# Altium PCB IDCI_WifiNode_2_R00.PcbDoc
Units mm, origin at the board's own origin, x right, y up, seen from the top; angles counter-clockwise.
Board outline 107 x 38 mm, 2 copper layers (Top Layer, Bottom Layer); 66 components, 37 nets, 270 pads, 0 vias.
Unrouted connection lines stored in the file: 144.
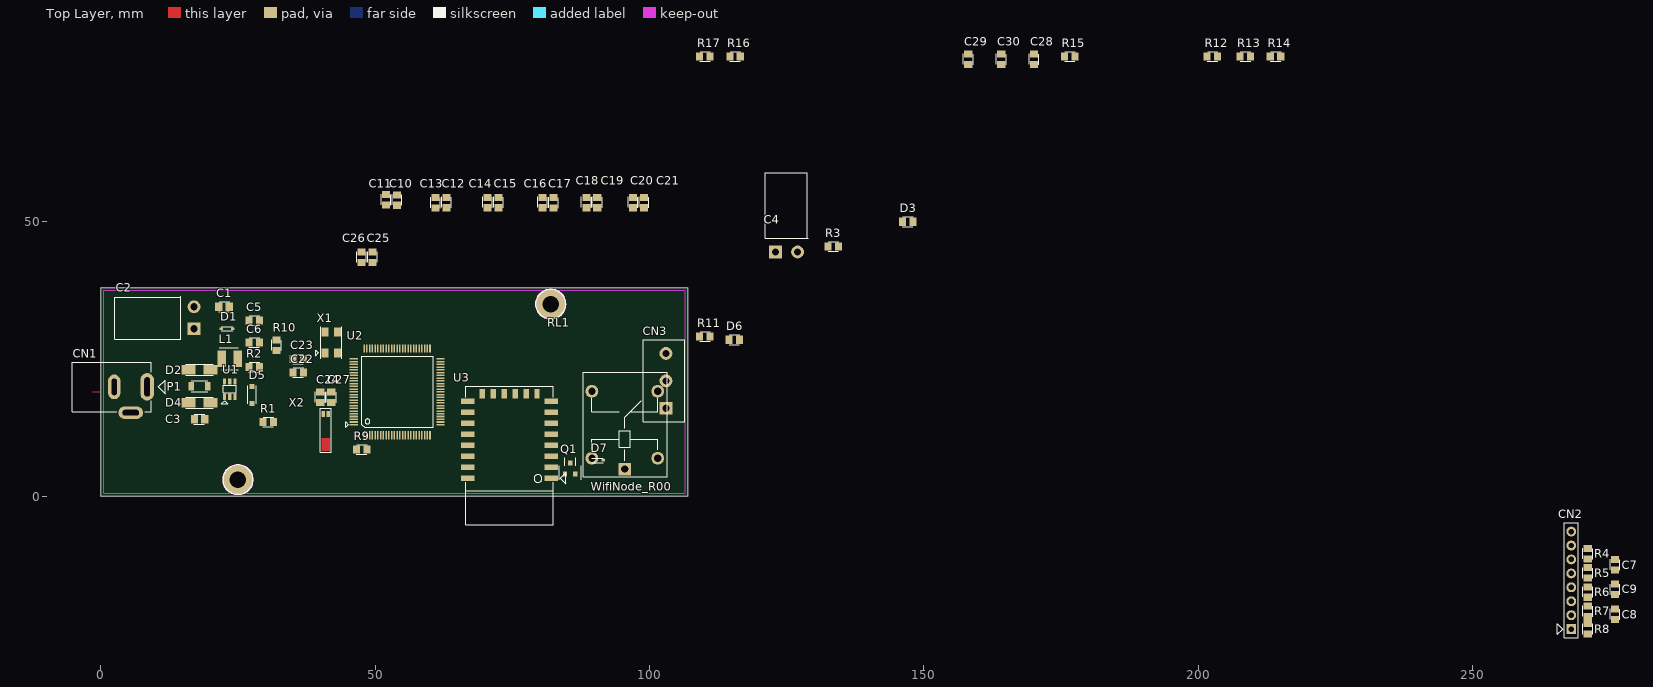
[diagram p0: Top Layer view]
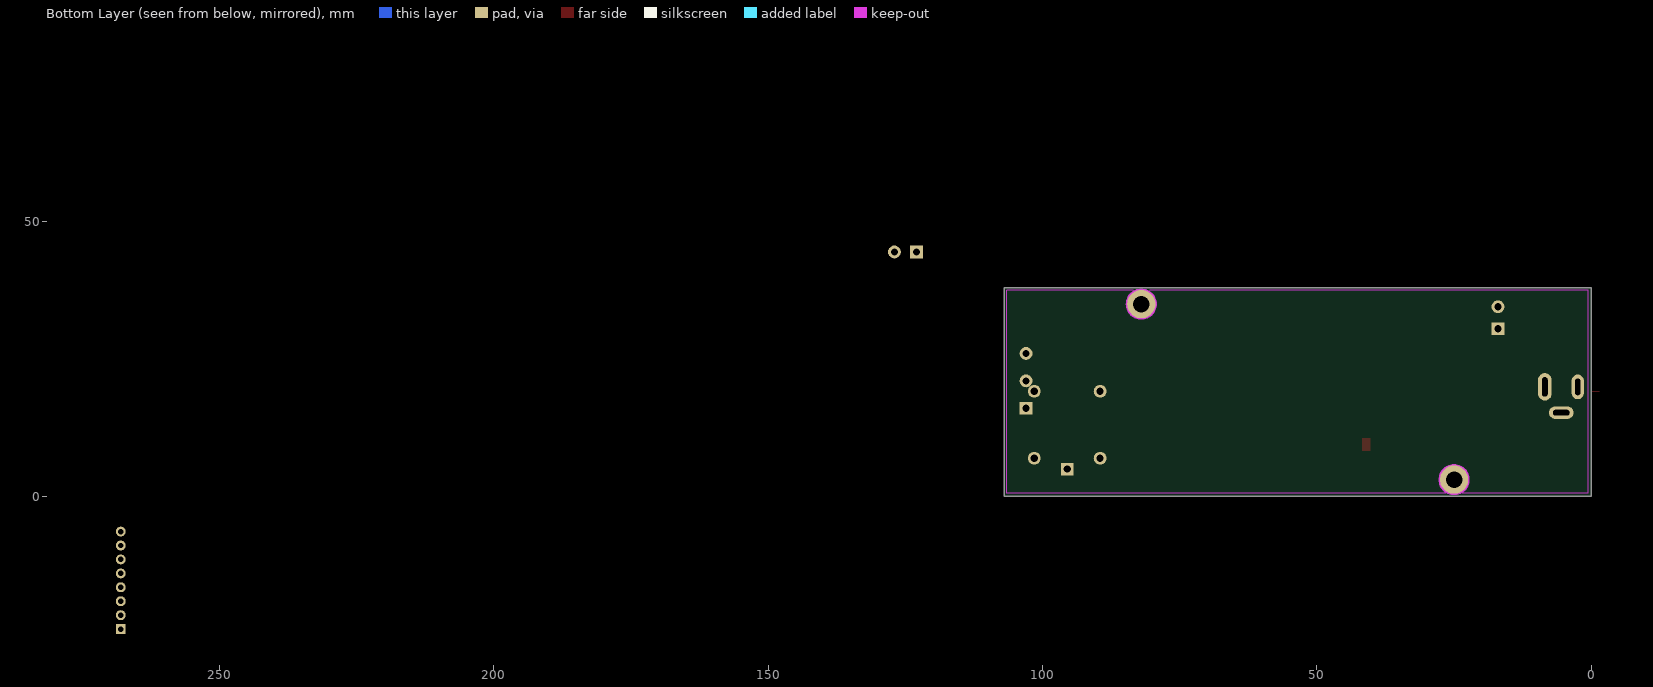
[diagram p1: Bottom Layer view, seen from below]

## Layer stack, top to bottom
Top Solder: solder mask 0.0102, Solder Resist, Dk 3.5
Top Layer: signal copper 0.0356
Dielectric 1: dielectric 0.32, FR-4, Dk 4.8
Bottom Layer: signal copper 0.0356
Bottom Solder: solder mask 0.0102, Solder Resist, Dk 3.5

## Board outline
0,0 0,38 107,38 107,0

## Design rules (kind name [scope] priority, off if disabled: settings)
Clearance [All] p1: gap=0.229 ignorepadtopadclearanceinfootprint=FALSE
PolygonConnect [All] p1: connectstyle=Relief reliefconductorwidth=0.254 reliefentries=4 polygonreliefangle="90 Angle" airgapwidth=0.254
RoomDefinition Perifericos [InComponentClass('Perifericos')] p1: confinementstyle=ConfineIn formatcopy=TRUE lockcomponents=FALSE outline 108.1,55.6 217.1,55.6 217.1,84.1 108.1,84.1
RoomDefinition "Fuentes y Protecciones" [InComponentClass('Fuentes y Protecciones')] p2: confinementstyle=ConfineIn formatcopy=TRUE lockcomponents=FALSE outline 107.05,33.5 208.55,33.5 208.55,54 107.05,54
RoomDefinition "Cpu Ports" [InComponentClass('Cpu Ports')] p3: confinementstyle=ConfineIn formatcopy=TRUE lockcomponents=FALSE outline 108.1,27.6 117.1,27.6 117.1,33.1 108.1,33.1
RoomDefinition "Cpu - Clock, Jtag, Power" [InComponentClass('Cpu - Clock, Jtag, Power')] p4: confinementstyle=ConfineIn formatcopy=TRUE lockcomponents=FALSE outline 108.5,1.95 294.5,1.95 294.5,26.45 108.5,26.45
RoutingVias [All] p1: holewidth=0.406 width=0.813 viastyle="Through Hole" minholewidth=0.406 minwidth=0.813 maxholewidth=0.406 maxwidth=0.813
SolderMaskExpansion [All] p1: expansion=0.102 istentingtop=FALSE
Width [All] p1: maxlimit=2.54 minlimit=0.229 preferedwidth=0.229
30 further rules are at their usual default settings.

## Classes and differential pairs
component class Perifericos: C28 C29 C30 CN3 D7 Q1 R12 R13 R14 R15 R16 R17 RL1 U3
component class "Fuentes y Protecciones": C1 C2 C3 C4 C5 C6 CN1 D1 D2 D3 D4 D5 L1 P1 R1 R2 R3 U1
component class "Cpu Ports": D6 R11
component class "Cpu - Clock, Jtag, Power": C7 C8 C9 C10 C11 C12 C13 C14 C15 C16 C17 C18 C19 C20 C21 C22 C23 C24 C25 C26 C27 CN2 R4 R5 R6 R7 R8 R9 R10 U2 X1 X2

## Components (designator, comment, footprint, x,y, rotation, side; value= is the part's Value field where it differs from the comment)
C1 "100nF 50V X7R" C_0805 22.45,34.5 r0 top
C2 "2.2uF 50V X7R" C_220UFX35V 17,32.5 r90 top
C3 "100nF 50V X7R" C_0805 18,14 r180 top
C4 "220uF 35V Elect" C_220UFX35V 125,44.5 r0 top
C5 "10uF 10V X7R" C_0805 27.95,32 r0 top
C6 "10uF 10V X7R" C_0805 27.95,28 r0 top
C7 "100nF 50V X7R" C_0805 276,-12.5 r270 top
C8 "10nF 25V X7R" C_0805 276,-21.55 r90 top
C9 "100nF 50V X7R" C_0805 276,-17 r270 top
C10 "100nF 50V X7R" C_0805 54,53.95 r90 top
C11 "10nF 25V X7R" C_0805 52,54 r90 top
C12 "100nF 50V X7R" C_0805 63,53.5 r90 top
C13 "10nF 25V X7R" C_0805 61,53.45 r90 top
C14 "100nF 50V X7R" C_0805 70.5,53.5 r90 top
C15 "10nF 25V X7R" C_0805 72.5,53.5 r90 top
C16 "100nF 50V X7R" C_0805 80.5,53.5 r90 top
C17 "10nF 25V X7R" C_0805 82.5,53.45 r90 top
C18 "100nF 50V X7R" C_0805 88.5,53.5 r90 top
C19 "10nF 25V X7R" C_0805 90.5,53.5 r90 top
C20 "100nF 50V X7R" C_0805 97,53.5 r90 top
C21 "10nF 25V X7R" C_0805 99,53.5 r90 top
C22 "22pF 50V C0G" C_0805 36,22.5 r180 top
C23 "22pF 50V C0G" C_0805 36,25 r180 top
C24 "10pF 50V C0G" C_0805 40,18 r90 top
C25 "10nF 25V X7R" C_0805 49.5,43.55 r90 top
C26 "1uF 10V X7R" C_0805 47.5,43.55 r90 top
C27 "10pF 50V C0G" C_0805 42,18 r90 top
C28 "100nF 50V X7R" C_0805 170.1,79.6 r90 top
C29 "100nF 50V X7R" C_0805 158.1,79.6 r90 top
C30 "10uF 10V X7R" C_0805 164.1,79.6 r90 top
CN1 "CONN_03P" JACK_2.5MM_F 8.45,19.9 r180 top
CN2 "CONN_08P" "HEADER_M_1X8_0.1\"" 268,-15.359 r90 top
CN3 "CONN_03P" TERMINAL_BLOCK_3_POLES 103,16 r90 top
D1 "1N4148WS" DIODE_SOD-323 23,30.5 r0 top
D2 "S1G" DIODE_SMA 18,23 r180 top
D3 "LED rojo 0805" LED_0805 147.05,50 r0 top
D4 "SMAJ30A" DIODE_SMA 18,17 r0 top
D5 "MBRX160TP" DIODE_SOD-123 27.55,18.425 r90 top
D6 "LED ROJO 0805" LED_0805 115.45,28.5 r0 top
D7 "1N4148WS" DIODE_SOD-323 90.5,6.5 r0 top
L1 "LQH44PN220MP0L" INDUCTOR_4040 23.5,25 r0 top
P1 "NANOSMDC012F-2" POLY_1206 18,20 r0 top
Q1 "IRLML0040TRPBF" IC_SOT-23 85.55,5 r0 top
R1 "30K9 1%" R_0805 30.5,13.5 r0 top
R2 "10K 1%" R_0805 27.95,23.5 r0 top
R3 "2K2 5%" R_0805 133.5,45.5 r0 top
R4 "10K 5%" R_0805 271,-10.5 r270 top
R5 "10K 5%" R_0805 271,-14 r270 top
R6 "10K 5%" R_0805 271,-17.5 r90 top
R7 "10K 5%" R_0805 271,-21 r90 top
R8 "10K 5%" R_0805 271,-24.198 r270 top
R9 "10K 5%" R_0805 47.55,8.5 r0 top
R10 "100K 5%" R_0805 32,27.5 r270 top
R11 "2K2 5%" R_0805 110.1,29.1 r0 top
R12 "10K 5%" R_0805 202.6,80.1 r0 top
R13 "10K 5%" R_0805 208.6,80.1 r0 top
R14 "10K 5%" R_0805 214.1,80.1 r0 top
R15 "10K 5%" R_0805 176.6,80.1 r0 top
R16 "1K 5%" R_0805 115.6,80.1 r0 top
R17 "10K 5%" R_0805 110.1,80.1 r0 top
RL1 "SRD-24VDC-SLC" RELAY 95.5,12 r90 top
U1 "MCP16301HT-E/CH" IC_SOT23-6 23.5,19.5 r0 top
U2 "LPC1769FBD100,551" LQFP_100 54,19 r0 top
U3 "ESP12F" ESP12F 74.5,11 r180 top
X1 "ABM3C-12.000MHZ-D4Y-T" CRYSTAL_12MHZ 42,28 r90 top
X2 "AB26TRQ-32.768KHZ-T" CRYSTA_32.768KHZ 41,12.5 r90 top

## Footprints (in the part's own frame and the unit in brackets; to place one, negate y for a bottom-side part, rotate by r counter-clockwise, add the part's x,y. Pads: shape width x height; smd on the part's side, far side on the other; paste and mask are expansions set on the pad)
C_220UFX35V [mm]
  rect 2.34x2.34 hole 1.3: 1(-2,0)
  round 2.34 hole 1.3: 2(2,0)
  silkscreen extent -3.93,2.45 3.92,14.45, body extent -4.01,-0.31 4,13.31, height 8.1
C_0805 [mm]
  rect 1.3x1.5 smd: 1(-0.95,0) 2(0.95,0)
  silkscreen extent -0.95,-0.89 1.02,0.89, body extent -1,-0.62 1,0.62, height 0.8
CRYSTA_32.768KHZ [mm]
  rect 1.1x0.6 smd: 1(2.45,-0.45) 2(2.45,0.45)
  Top Layer region: -4.3,-0.75 -1.9,-0.75 -1.9,0.75 -4.3,0.75
  Top Layer region: -0.5,-0.35
  Top Layer region: -1.3,0.85
  silkscreen extent -4.5,-1 3.5,1, body extent -3.76,-0.75 2.94,0.71, height 1.62
CRYSTAL_12MHZ [mm]
  rect 1.6x1.3 smd: 1(-1.9,1.15) 2(1.9,1.15) 3(1.9,-1.15) 4(-1.9,-1.15)
  silkscreen extent -3,-1.95 2.9,2.85, body extent -2.57,-1.64 2.57,1.7, height 1.1
DIODE_SMA [mm]
  rect 2.5x1.7 smd: 1(-2,0) 2(2,0)
  silkscreen extent -2.5,-1 2.5,1, body extent -2.66,-1.41 2.62,1.51, height 2.41
DIODE_SOD-123 [mm]
  rect 0.9x0.95 smd: 1(-1.575,0) 2(1.575,0)
  silkscreen extent -1.57,-0.75 1.68,0.75, body extent -1.88,-0.86 1.87,0.84, height 1.2
DIODE_SOD-323 [mm]
  rect 0.59x0.45 smd: 1(-1.055,0) 2(1.055,0)
  silkscreen extent -1.05,-0.4 1.05,0.4, body extent -1.35,-0.73 1.35,0.71, height 1.13
ESP12F [mm]
  rect 2.5x1 smd: 1(-7.6,7.75) 2(-7.6,5.75) 3(-7.6,3.75) 4(-7.6,1.75) 5(-7.6,-0.25) 6(-7.6,-2.25) 7(-7.6,-4.25) 8(-7.6,-6.25) 15(7.6,-6.25) 16(7.6,-4.25) 17(7.6,-2.25) 18(7.6,-0.25) 19(7.6,1.75) 20(7.6,3.75) 21(7.6,5.75) 22(7.6,7.75)
  rect 1x1.8 smd: 9(-5,-7.65) 10(-3,-7.65) 11(-1,-7.65) 12(1,-7.65) 13(3,-7.65) 14(5,-7.65)
  silkscreen extent -10.27,-9 8,16.25, body extent -8.06,-7.76 7.94,16.24, height 3.13
"HEADER_M_1X8_0.1\"" [mm]
  rect 1.8x1.8 hole 1: 1(-8.89,0)
  round 1.8 hole 1: 2(-6.35,0) 3(-3.81,0) 4(-1.27,0) 5(1.27,0) 6(3.81,0) 7(6.35,0) 8(8.89,0)
  silkscreen extent -10.48,-1.27 10.48,2.54, body extent -10.16,-1.27 10.16,1.27, height 8.6
IC_SOT23-6 [mm]
  rect 0.6x1.1 smd: 1(-0.95,-1.4) 2(0,-1.4) 3(0.95,-1.4) 4(0.95,1.4) 5(0,1.4) 6(-0.95,1.4)
  silkscreen extent -1.55,-2.7 1.15,0.7, body extent -1.45,-1.18 1.45,1.22
IC_SOT-23 [mm]
  rect 0.8x0.9 smd: 1(-0.95,-1) 2(0,1) 3(0.95,-1)
  silkscreen extent -2,-2 2,2, body extent -1.42,-1.39 1.48,1.21, height 0.96
INDUCTOR_4040 [mm]
  rect 1.55x3 smd: 1(-1.425,0) 2(1.425,0)
  silkscreen extent -1.92,-2 1.58,2, body extent -2.13,-1.98 1.96,2.02, height 1.9
JACK_2.5MM_F [mm]
  oval 2.5x5 hole 1 slot 3.5 at 90 deg: 1(0,0)
  oval 2.25x4.5 hole 1 slot 3 at 90 deg: 2(6,0)
  oval 4.5x2.25 hole 1 slot 3 at 0 deg: 3(3,4.7)
  silkscreen extent -3.25,-4.5 13.7,4.5, body extent -0.7,-4.5 13.7,4.9, height 11
LED_0805 [mm]
  rect 1.3x1.5 smd: 1(-0.95,0) 2(0.95,0)
  silkscreen extent -0.95,-0.89 1.02,0.89, body extent -1.01,-0.64 0.99,0.61, height 1.1
LQFP_100 [mm]
  rect 1.5x0.28 smd: 1(-7.9,-6) 2(-7.9,-5.5) 3(-7.9,-5) 4(-7.9,-4.5) 5(-7.9,-4) 6(-7.9,-3.5) 7(-7.9,-3) 8(-7.9,-2.5) 9(-7.9,-2) 10(-7.9,-1.5) 11(-7.9,-1) 12(-7.9,-0.5) 13(-7.9,0) 14(-7.9,0.5) 15(-7.9,1) 16(-7.9,1.5) 17(-7.9,2) 18(-7.9,2.5) 19(-7.9,3) 20(-7.9,3.5) 21(-7.9,4) 22(-7.9,4.5) 23(-7.9,5) 24(-7.9,5.5) 25(-7.9,6) 51(7.9,6) 52(7.9,5.5) 53(7.9,5) 54(7.9,4.5) 55(7.9,4) 56(7.9,3.5) 57(7.9,3) 58(7.9,2.5) 59(7.9,2) 60(7.9,1.5) 61(7.9,1) 62(7.9,0.5) 63(7.9,0) 64(7.9,-0.5) 65(7.9,-1) 66(7.9,-1.5) 67(7.9,-2) 68(7.9,-2.5) 69(7.9,-3) 70(7.9,-3.5) 71(7.9,-4) 72(7.9,-4.5) 73(7.9,-5) 74(7.9,-5.5) 75(7.9,-6)
  rect 0.28x1.5 smd: 26(-6,7.9) 27(-5.5,7.9) 28(-5,7.9) 29(-4.5,7.9) 30(-4,7.9) 31(-3.5,7.9) 32(-3,7.9) 33(-2.5,7.9) 34(-2,7.9) 35(-1.5,7.9) 36(-1,7.9) 37(-0.5,7.9) 38(0,7.9) 39(0.5,7.9) 40(1,7.9) 41(1.5,7.9) 42(2,7.9) 43(2.5,7.9) 44(3,7.9) 45(3.5,7.9) 46(4,7.9) 47(4.5,7.9) 48(5,7.9) 49(5.5,7.9) 50(6,7.9) 76(6,-7.9) 77(5.5,-7.9) 78(5,-7.9) 79(4.5,-7.9) 80(4,-7.9) 81(3.5,-7.9) 82(3,-7.9) 83(2.5,-7.9) 84(2,-7.9) 85(1.5,-7.9) 86(1,-7.9) 87(0.5,-7.9) 88(0,-7.9) 89(-0.5,-7.9) 90(-1,-7.9) 91(-1.5,-7.9) 92(-2,-7.9) 93(-2.5,-7.9) 94(-3,-7.9) 95(-3.5,-7.9) 96(-4,-7.9) 97(-4.5,-7.9) 98(-5,-7.9) 99(-5.5,-7.9) 100(-6,-7.9)
  silkscreen extent -9.4,-6.5 6.6,6.5, body extent -7.95,-7.99 8.05,8.01, height 1.6
POLY_1206 [mm]
  rect 1x1.6 smd: 1(-1.5,0) 2(1.5,0)
  silkscreen extent -1.5,-1 1.5,1, body extent -1.64,-0.82 1.56,0.76, height 0.68
R_0805 [mm]
  rect 1.3x1.5 smd: 1(-0.95,0) 2(0.95,0)
  silkscreen extent -0.95,-0.89 1.02,0.89, body extent -1.02,-0.69 1.08,0.67, height 0.6
RELAY [mm]
  round 2.34 hole 1.3: 1(-5.1,-6) 2(-5.1,6) 4(7.1,-6) 5(7.1,6)
  rect 2.34x2.34 hole 1.3: 3(-7.1,0)
  silkscreen extent -8.5,-7.75 10.6,7.55, body extent -9.69,-8.52 13.01,8.38, height 19
TERMINAL_BLOCK_3_POLES [mm]
  rect 2.34x2.34 hole 1.3: 1(0,0)
  round 2.34 hole 1.3: 2(5,0) 3(10,0)
  silkscreen extent -2.5,-3.45 12.5,4.15, body extent -3.1,-3.1 12.5,4.5, height 10

## Part data
C1 C2 C3 C5 C6: library part Capacitor, "100nF x 50v"
C4: library part POL_CAP, "Capacitor polarizado"
C7 C8 C9 C10 C11 C12 C13 C14 C15 C16 C17 C18 C19 C20 C21 C22 C23 C24 C25 C26 C27 C28 C29 C30: library part CAPACITOR, "100nF x 50v"
CN1 CN3: "Connector Generic 3 Vias"
CN2: "Connector Generic 8 Vias"
D1 D2 D5 D7: library part TVS_DIODE
D3 D6: library part LED_DIODE
D4: library part ZENER_DIODE
L1: library part Inductor, "Inductor"
P1: library part Polyswitch, "Polyswitch"
Q1: library part N_MOSFET_SOT23, "Mosfet N-Ch"
R1 R2 R3 R4 R5 R6 R7 R8 R9 R10 R11 R12 R13 R14 R15 R16 R17: library part Resistor
RL1: library part "RELAY SPDT", "Relay SPDT"
U1: library part Integrado, "Driver Switching"
U2: library part LPC1769FBD100_Multipart, "Mcu Cortex M3 LQFP100"
U3: library part "ESP12F Wifi Module", "Wifi Module"
X1: library part CRYSTAL_2P, "Crystal 2 Vias"
X2: library part "CRYSTAL 3P", "Crystal 2 Vias + GND"

## Free pads (board coordinates)
  round 5.5 hole 3 unplated: 0(25,3) 0(82,35)

## Nets (pads, with @x,y where several pads share a name; then routed paths per layer and width w, separated by ;. In a path a pad name is that pad's centre, name@x,y a point inside that pad or via, vN(x,y) a via of type N, cw(c..) or ccw(c..) an arc to the next point about the centre after c; other vN are vias at no path point)
"3.3 V": C5.1 C6.1 D1.1 D3.1 L1.2 R1.2
3.3V: C10.2 C11.2 C12.2 C13.2 C14.2 C15.2 C16.2 C17.2 C18.2 C19.2 C20.2 C21.2 R9.1 U2.28 U2.42 U2.54 U2.71 U2.84 U2.96
+3.3v: C8.1 C9.2 C25.2 C26.2 C29.2 C30.2 CN2.1 R4.2 R5.2 R6.2 R7.2 R8.2 R12.2 R13.2 R14.2 R15.1 U2.10 U2.12 U3.8
"+24V In": CN1.1 D2.1
+Vin: C2.1 C3.1 C4.1 D4.2 D7.2 P1.2 RL1.1 U1.4 U1.5
\T\R\S\T\: R9.2 U2.4
COM1: CN3.2 RL1.3
GND: C2.2 C3.2 C4.2 C5.2 C6.2 C7.2 C8.2 C9.1 C10.1 C11.1 C12.1 C13.1 C14.1 C15.1 C16.1 C17.1 C18.1 C19.1 C20.1 C21.1 C22.2 C23.2 C24.2 C25.1 C26.1 C27.2 C28.1 C29.1 C30.1 CN1.2 CN1.3 CN2.8 D4.1 D5.1 D6.2 Q1.2 R2.1 R3.1 R17.1 U1.2 U2.11 U2.15 U2.31 U2.41 U2.55 U2.72 U2.83 U2.97 U3.15 X2.2
mcu_OUT0: R16.1 U2.81
mcu_RxD0: U2.99 U3.22
mcu_TxD0: U2.98 U3.21
NA1: CN3.1 RL1.5
NC1: CN3.3 RL1.4
NetC1_1: C1.1 D1.2 U1.1
NetC22_1: C22.1 U2.22 X1.1
NetC23_1: C23.1 U2.23 X1.3
NetC24_1: C24.1 U2.16
NetC27_1: C27.1 R10.1 X2.1
NetC28_2: C28.2 R15.2 U3.1
NetCN2_7: CN2.7 R4.1
NetD2_2: D2.2 P1.1
NetD3_2: D3.2 R3.2
NetD6_1: D6.1 R11.2
NetD7_1: D7.1 Q1.3 RL1.2
NetQ1_1: Q1.1 R16.2 R17.2
NetR10_2: R10.2 U2.18
NetR11_1: R11.1 U2.56
NetR12_1: R12.1 U3.3
NetR13_1: R13.1 U3.18
NetR14_1: R14.1 U3.16
RST: C7.1 CN2.6 R5.1 U2.17
SW: C1.2 D5.2 L1.1 U1.6
TCK/SWDCLK: CN2.3 R7.1 U2.5
TDI: CN2.5 R6.1 U2.2
TDO/SWO: CN2.4 U2.1
TMS/SWDIO: CN2.2 R8.1 U2.3
VFB: R1.1 R2.2 U1.3
pads on no net: U2.6 U2.7 U2.8 U2.9 U2.13 U2.14 U2.19 U2.20 U2.21 U2.24 U2.25 U2.26 U2.27 U2.29 U2.30 U2.32 U2.33 U2.34 U2.35 U2.36 U2.37 U2.38 U2.39 U2.40 U2.43 U2.44 U2.45 U2.46 U2.47 U2.48 U2.49 U2.50 U2.51 U2.52 U2.53 U2.57 U2.58 U2.59 U2.60 U2.61 U2.62 U2.63 U2.64 U2.65 U2.66 U2.67 U2.68 U2.69 U2.70 U2.73 U2.74 U2.75 U2.76 U2.77 U2.78 U2.79 U2.80 U2.82 U2.85 U2.86 U2.87 U2.88 U2.89 U2.90 U2.91 U2.92 U2.93 U2.94 U2.95 U2.100 U3.2 U3.4 U3.5 U3.6 U3.7 U3.9 U3.10 U3.11 U3.12 U3.13 U3.14 U3.17 U3.19 U3.20 X1.2 X1.4
copper on no net: | length 1.5
  Top Layer w0.127: -1.5,19 0,19

## Keep-outs
Keep-Out Layer:
  circle w0.254: c82,35 r2.7
  circle w0.254: c25,3 r2.7
  lines w0.127: 23.5,0.5 0.5,0.5 0.5,37.5 80.5,37.5 ; 26.5,0.5 106.5,0.5 106.5,37.5 83.5,37.5

## Silkscreen, mask and mechanical layers (free items; w line width, h text height)
Top Overlay:
  circle w0.254: c25,3 r2.7
  circle w0.254: c82,35 r2.7
  text "WifiNode_R00" at 89.254,1.008 h1.52
Mechanical 1:
  the board outline again, w0.127
Mechanical 6:
  lines w0.127: 0,19 106.5,19 107,19 ; 6,0.5 6,37.5 ; 12,0.5 12,37.5 ; 18,0.5 18,37.5 ; 24,0.5 24,37.5 ; 30,0.5 30,37.5 ; 36,0.5 36,37.5 ; 42,0.5 42,37.5 ; 48,0.5 48,37.5 ; 54,0.5 54,37.5 ; 60,0.5 60,37.5 ; 66,0.5 66,37.5 ; 72,0.5 72,37.5 ; 78,0.5 78,37.5 ; 84,0.5 84,37.5 ; 90,0.5 90,37.5 ; 96,0.5 96,37.5 ; 102,0.5 102,37.5